# KiCad board reg.kicad_pcb (continued)
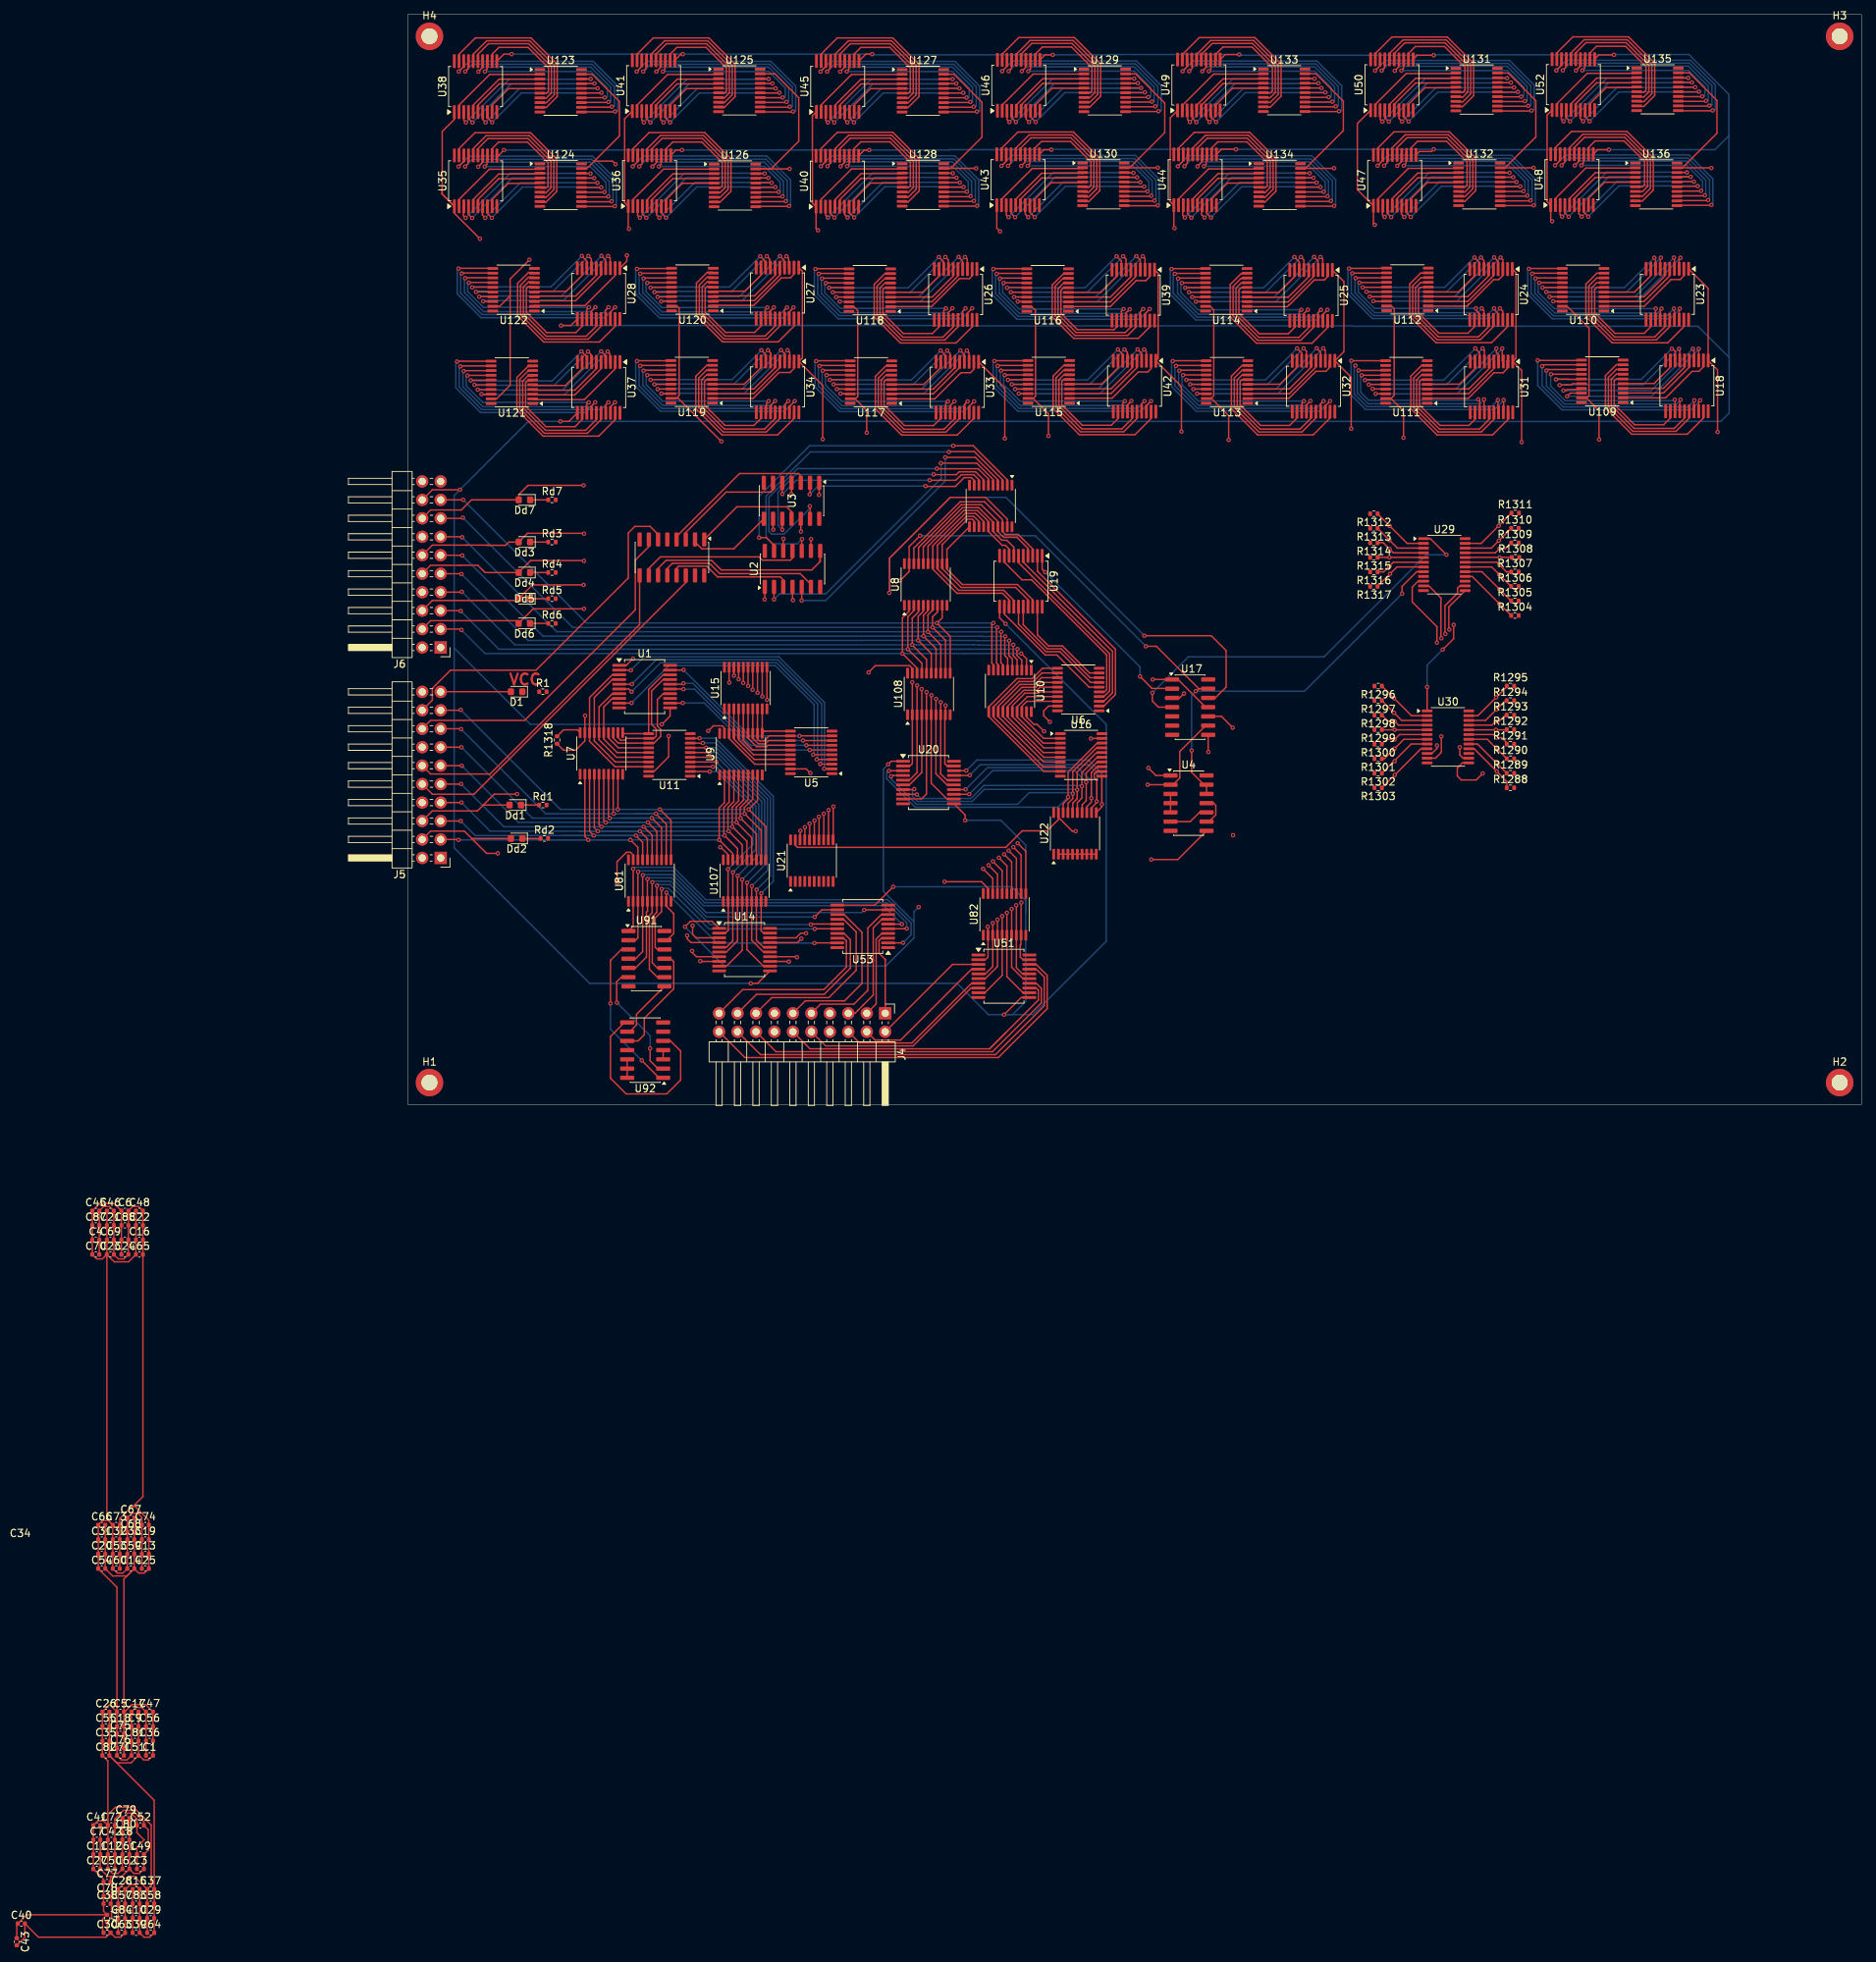
[diagram p0: board, top side]
## Routing (per net, layer and track width the routed paths; a pad name or vN(x,y) marks a point on that pad's centre or on a via; arc(x,y) is an arc through that point) (continued)
/16 bit buffor25/OUT4: length 51.7
  Top w0.2: 56.59,36.5 56.59,39.56 v1(56.57,39.59) ; v1(52.45,19.65) 52.42,19.68 U14.13 ; U15.14 47.47,57.1 v1(47.45,57.07)
  In4.Cu w0.2: v1(47.45,57.07) 47.45,48.7 v1(56.57,39.59) 56.57,29.56 52.45,25.45 v1(52.45,19.65)
/16 bit buffor25/OUT5: length 52.5
  Top w0.2: U15.13 48.12,56.65 v1(48.13,56.65) ; v1(53.55,20.25) 53.47,20.32 49.85,20.32 ; 57.24,36.5 57.24,40 v1(57.25,40.01)
  In4.Cu w0.2: v1(48.13,56.65) 48.13,49.13 v1(57.25,40.01) 57.25,29.68 53.55,25.98 v1(53.55,20.25)
/16 bit buffor25/OUT6: length 51.3
  Top w0.2: v1(54.15,22.8) 53.62,22.28 U14.17 ; v1(57.92,40.51) 57.89,40.48 57.89,36.5 ; v1(48.8,56.15) 48.78,56.17 U15.12
  In4.Cu w0.2: v1(54.15,22.8) 54.15,26.02 57.92,29.78 v1(57.92,40.51) 48.8,49.63 v1(48.8,56.15)
/16 bit buffor25/OUT7: length 51.6
  Top w0.2: v1(54.8,23.55) 54.05,23.55 53.43,22.93 U14.18 ; U15.11 49.42,55.7 v1(49.45,55.67) ; 58.54,36.5 58.54,40.96
  In4.Cu w0.2: v1(54.8,23.55) 54.8,26.1 58.57,29.87 v1(58.57,40.98) 49.45,50.1 v1(49.45,55.67)
/16 bit buffor25/OUT8: length 42.5
  Top w0.2: U22.18 90.17,41.38 90.85,42.05 90.85,42.3 v1(90.85,42.3) 90.85,45.72 94.86,49.72 U16.18 ; v1(66.2,45.9) 66.22,45.92 U20.3
  Bottom w0.2: v1(66.2,45.9) 65.9,45.6 65.9,44.82 69.82,40.9 89.45,40.9 v1(90.85,42.3)
/16 bit buffor25/OUT9: length 40.5
  Top w0.2: 95.51,49.08 94.78,49.08 91.5,45.8 v1(91.5,42.77) 91.5,42.1 90.85,41.45 90.85,40.19 U22.17 ; 68.15,45.28 66.62,45.28 v1(66.5,45.15)
  Bottom w0.2: v1(66.5,45.15) 66.5,44.79 69.99,41.3 83.9,41.3 85.5,42.9 91.37,42.9 v1(91.5,42.77)
/16 bit buffor25/OUT10: length 36.7
  Top w0.2: U20.7 69.62,43.33 v1(69.7,43.4) ; U22.16 91.5,40.19 91.5,41.47 92,41.97 92,41.98 92.1,42.08 v1(92.1,43.3) 92.1,45.75 94.78,48.42 U16.16
  Bottom w0.2: v1(69.7,43.4) 69.45,43.15 69.45,42.4 70.15,41.7 77.66,41.7 79.33,43.37 92.03,43.37 v1(92.1,43.3)
/16 bit buffor25/OUT11: length 35
  Top w0.2: U20.8 70.03,42.67 v1(70.05,42.65) ; U22.15 92.12,41.53 92.4,41.8 92.4,41.82 92.75,42.17 v1(92.75,43.8) 92.75,45.67 94.86,47.78 95.51,47.78
  Bottom w0.2: v1(92.75,43.8) 92.65,43.9 79.3,43.9 77.5,42.1 70.6,42.1 v1(70.05,42.65)
/16 bit buffor25/OUT12: length 28.7
  Top w0.2: U16.14 94.86,47.12 93.35,45.62 v1(93.35,44.35) 93.35,41.8 92.8,41.25 92.8,40.19 92.78,40.16 ; v1(77.25,42.7) 77.22,42.67 U20.13
  Bottom w0.2: v1(77.25,42.7) 80.5,45.95 91.75,45.95 v1(93.35,44.35)
/16 bit buffor25/OUT13: length 30.8
  Top w0.2: v1(76.75,43.35) 76.72,43.33 U20.14 ; U16.13 94.86,46.47 94.1,45.72 94.1,45.72 94.05,45.67 v1(94.05,42.15) 94.05,41.6 93.45,41 93.45,40.19 U22.13
  Bottom w0.2: v1(76.75,43.35) 79.75,46.35 92.2,46.35 94.05,44.5 v1(94.05,42.15)
/16 bit buffor25/OUT14: length 31.6
  Top w0.2: U16.12 94.78,45.83 94.45,45.5 94.45,44.93 94.8,44.58 94.8,41.88 94.8,41.88 v1(94.8,41.7) 94.8,41.55 94.08,40.82 U22.12 ; v1(77.33,45.31) 77.3,45.28 75.15,45.28
  Bottom w0.2: v1(77.33,45.31) 78.77,46.75 93.7,46.75 94.8,45.65 v1(94.8,41.7)
/16 bit buffor25/OUT15: length 31.3
  Top w0.2: U20.18 76.83,45.92 v1(76.85,45.95) ; U22.11 95.5,40.94 v1(95.5,41.3) 95.5,45.16 U16.11
  Bottom w0.2: v1(95.5,41.3) 95.5,45.55 93.65,47.4 78.3,47.4 v1(76.85,45.95)
/16 bit buffor26/n0E2: length 77.6
  Top w0.2: v1(113.5,51.85) 111.95,53.4 U17.10 ; v1(91.9,37.6) 91.43,37.6 89.53,39.51 U22.19 89.53,39.21 87.97,37.65 84.55,37.65 82.28,35.38 53.63,35.38 53.33,35.68 U21.19
  In3.Cu w0.2: v1(91.9,37.6) 103.75,37.6 113.5,47.35 v1(113.5,51.85)
/16 bit buffor28/IN_1_0: length 13.7
  Top w0.2: U18.2 178.26,101.52 177.63,100.89 176.71,100.89 173.06,97.24 U109.2
/16 bit buffor28/IN_1_1: length 11.9
  Top w0.2: 167.16,97.91 167.02,97.91 172.76,97.91 176.32,101.47 176.32,102.42
/16 bit buffor28/IN_1_2: length 10.8
  Top w0.2: 175.67,102.42 175.67,101.47 172.76,98.56 167.02,98.56
/16 bit buffor28/IN_1_3: length 8.6
  Top w0.2: 173.72,102.42 173.72,101.47 171.46,99.21 167.02,99.21
/16 bit buffor28/IN_1_4: length 14.6
  Top w0.2: 167.02,99.86 166.28,99.86 165.98,99.56 165.98,96.34 168.79,93.54 172.79,93.54 173.72,94.47 173.72,95.42
/16 bit buffor28/IN_1_5: length 18.3
  Top w0.2: 167.02,100.51 166.28,100.51 165.58,99.81 165.58,96.18 168.72,93.04 174.24,93.04 175.67,94.47 175.67,95.42
/16 bit buffor28/IN_1_6: length 20.6
  Top w0.2: 176.32,95.42 176.32,94.47 174.49,92.64 168.56,92.64 165.18,96.01 165.18,100.06 166.28,101.16 167.02,101.16
/16 bit buffor28/IN_1_7: length 24.2
  Top w0.2: 178.27,95.42 178.27,94.47 176.04,92.24 168.39,92.24 164.78,95.84 164.78,100.31 166.28,101.81 167.02,101.81
/16 bit buffor28/IN_1_8: length 13.9
  Top w0.2: 175.58,115 175.58,114.05 175.05,113.53 173.8,113.53 170.12,109.85 164.33,109.85
/16 bit buffor28/IN_1_9: length 11.9
  Top w0.2: 164.47,110.5 164.33,110.5 170.07,110.5 173.63,114.05 173.63,115
/16 bit buffor28/IN_1_10: length 10.8
  Top w0.2: 164.33,111.15 170.07,111.15 172.98,114.05 172.98,115
/16 bit buffor28/IN_1_11: length 8.6
  Top w0.2: 164.33,111.8 168.77,111.8 171.03,114.05 171.03,115
/16 bit buffor28/IN_1_12: length 14.6
  Top w0.2: 171.03,108 171.03,107.05 170.1,106.12 166.1,106.12 163.29,108.93 163.29,112.15 163.59,112.45 164.33,112.45
/16 bit buffor28/IN_1_13: length 18.3
  Top w0.2: 164.33,113.1 163.59,113.1 162.89,112.4 162.89,108.76 166.04,105.62 171.55,105.62 172.98,107.05 172.98,108
/16 bit buffor28/IN_1_14: length 20.6
  Top w0.2: 164.33,113.75 163.59,113.75 162.49,112.65 162.49,108.6 165.87,105.22 171.8,105.22 173.63,107.05 173.63,108
/16 bit buffor28/IN_1_15: length 24.2
  Top w0.2: 175.58,108 175.58,107.05 173.35,104.82 165.7,104.82 162.09,108.43 162.09,112.9 163.59,114.4 164.33,114.4
/16 bit buffor29/IN_1_0: length 14
  Top w0.2: 140.24,97.17 145.92,97.17 149.43,100.69 150.69,100.69 151.23,101.23 151.23,102.33 151.48,102.33
/16 bit buffor29/IN_1_1: length 11.9
  Top w0.2: 149.53,102.33 149.53,101.38 145.98,97.82 140.24,97.82 140.38,97.82
/16 bit buffor29/IN_1_2: length 10.8
  Top w0.2: 148.88,102.33 148.88,101.38 145.98,98.47 140.24,98.47
/16 bit buffor29/IN_1_3: length 8.6
  Top w0.2: 140.24,99.12 144.68,99.12 146.93,101.38 146.93,102.33
/16 bit buffor29/IN_1_4: length 14.6
  Top w0.2: 140.24,99.77 139.5,99.77 139.2,99.47 139.2,96.26 142.01,93.45 146,93.45 146.93,94.38 146.93,95.33
/16 bit buffor29/IN_1_5: length 18.3
  Top w0.2: 148.88,95.33 148.88,94.38 147.45,92.95 141.94,92.95 138.8,96.09 138.8,99.72 139.5,100.42 140.24,100.42
/16 bit buffor29/IN_1_6: length 20.6
  Top w0.2: 140.24,101.07 139.5,101.07 138.4,99.97 138.4,95.92 141.78,92.55 147.7,92.55 149.53,94.38 149.53,95.33
/16 bit buffor29/IN_1_7: length 24.2
  Top w0.2: 140.24,101.72 139.5,101.72 138,100.22 138,95.76 141.61,92.15 149.25,92.15 151.48,94.38 151.48,95.33
/16 bit buffor29/IN_1_8: length 13.8
  Top w0.2: 151.34,114.07 151.34,115.02 ; 140.1,109.86 145.81,109.86 145.86,109.91 145.86,110.01 145.96,110.11 146,110.11 149.4,113.51 150.09,113.51 150.68,114.1 150.68,114.51
/16 bit buffor29/IN_1_9: length 11.9
  Top w0.2: 149.39,115.02 149.39,114.07 145.84,110.51 140.1,110.51 140.23,110.51
/16 bit buffor29/IN_1_10: length 10.8
  Top w0.2: 148.74,115.02 148.74,114.07 145.84,111.16 140.1,111.16
/16 bit buffor29/IN_1_11: length 8.6
  Top w0.2: 146.79,115.02 146.79,114.07 144.54,111.81 140.1,111.81
/16 bit buffor29/IN_1_12: length 14.6
  Top w0.2: 146.79,108.02 146.79,107.07 145.86,106.14 141.86,106.14 139.06,108.95 139.06,112.16 139.36,112.46 140.1,112.46
/16 bit buffor29/IN_1_13: length 18.3
  Top w0.2: 140.1,113.11 139.36,113.11 138.66,112.41 138.66,108.78 141.8,105.64 147.31,105.64 148.74,107.07 148.74,108.02
/16 bit buffor29/IN_1_14: length 20.6
  Top w0.2: 140.1,113.76 139.36,113.76 138.26,112.66 138.26,108.61 141.63,105.24 147.56,105.24 149.39,107.07 149.39,108.02
/16 bit buffor29/IN_1_15: length 24.2
  Top w0.2: 140.1,114.41 139.36,114.41 137.86,112.91 137.86,108.45 141.47,104.84 149.11,104.84 151.34,107.07 151.34,108.02
/16 bit buffor30/IN_1_0: length 14
  Top w0.2: 115.56,97.17 121.22,97.17 124.95,100.9 126.33,100.9 126.75,101.32 126.75,102.33 126.8,102.33
/16 bit buffor30/IN_1_1: length 11.9
  Top w0.2: 115.69,97.82 115.56,97.82 121.3,97.82 124.85,101.38 124.85,102.33
/16 bit buffor30/IN_1_2: length 10.8
  Top w0.2: 115.56,98.47 121.3,98.47 124.2,101.38 124.2,102.33
/16 bit buffor30/IN_1_3: length 8.6
  Top w0.2: 115.56,99.12 120,99.12 122.25,101.38 122.25,102.33
/16 bit buffor30/IN_1_4: length 14.6
  Top w0.2: 115.56,99.77 114.82,99.77 114.52,99.47 114.52,96.25 117.32,93.45 121.32,93.45 122.25,94.38 122.25,95.33
/16 bit buffor30/IN_1_5: length 18.3
  Top w0.2: 115.56,100.42 114.82,100.42 114.12,99.72 114.12,96.09 117.26,92.95 122.77,92.95 124.2,94.38 124.2,95.33
/16 bit buffor30/IN_1_6: length 20.6
  Top w0.2: 124.85,95.33 124.85,94.38 123.02,92.55 117.09,92.55 113.72,95.92 113.72,99.97 114.82,101.07 115.56,101.07
/16 bit buffor30/IN_1_7: length 24.2
  Top w0.2: 126.8,95.33 126.8,94.38 124.57,92.15 116.93,92.15 113.32,95.75 113.32,100.22 114.82,101.72 115.56,101.72
/16 bit buffor30/IN_1_8: length 13.9
  Top w0.2: 126.64,114.95 126.64,114 126.12,113.47 124.73,113.47 121.3,110.04 121.25,110.04 121,109.79 115.39,109.79
/16 bit buffor30/IN_1_9: length 11.9
  Top w0.2: 115.53,110.44 115.39,110.44 121.13,110.44 124.69,114 124.69,114.95
/16 bit buffor30/IN_1_10: length 10.8
  Top w0.2: 124.04,114.95 124.04,114 121.13,111.09 115.39,111.09
/16 bit buffor30/IN_1_11: length 8.6
  Top w0.2: 115.39,111.74 119.83,111.74 122.09,114 122.09,114.95
/16 bit buffor30/IN_1_12: length 14.6
  Top w0.2: 115.39,112.39 114.66,112.39 114.36,112.09 114.36,108.87 117.16,106.07 121.16,106.07 122.09,107 122.09,107.95
/16 bit buffor30/IN_1_13: length 18.3
  Top w0.2: 124.04,107.95 124.04,107 122.61,105.57 117.1,105.57 113.96,108.71 113.96,112.34 114.66,113.04 115.39,113.04
/16 bit buffor30/IN_1_14: length 20.6
  Top w0.2: 115.39,113.69 114.66,113.69 113.56,112.59 113.56,108.54 116.93,105.17 122.86,105.17 124.69,107 124.69,107.95
/16 bit buffor30/IN_1_15: length 24.2
  Top w0.2: 115.39,114.34 114.66,114.34 113.16,112.84 113.16,108.38 116.77,104.77 124.41,104.77 126.64,107 126.64,107.95
/16 bit buffor31/IN_1_0: length 14
  Top w0.2: 91.03,97.2 96.91,97.2 100.51,100.8 101.81,100.8 102.27,101.26 102.27,102.35 102.28,102.35
/16 bit buffor31/IN_1_1: length 11.9
  Top w0.2: 100.33,102.35 100.33,101.4 96.78,97.85 91.03,97.85 91.17,97.85
/16 bit buffor31/IN_1_2: length 10.8
  Top w0.2: 91.03,98.5 96.78,98.5 99.68,101.4 99.68,102.35
/16 bit buffor31/IN_1_3: length 8.6
  Top w0.2: 91.03,99.15 95.48,99.15 97.73,101.4 97.73,102.35
/16 bit buffor31/IN_1_4: length 14.6
  Top w0.2: 91.03,99.8 90.3,99.8 90,99.5 90,96.28 92.8,93.47 96.8,93.47 97.73,94.4 97.73,95.35
/16 bit buffor31/IN_1_5: length 18.3
  Top w0.2: 99.68,95.35 99.68,94.4 98.25,92.97 92.74,92.97 89.6,96.11 89.6,99.75 90.3,100.45 91.03,100.45
/16 bit buffor31/IN_1_6: length 20.6
  Top w0.2: 100.33,95.35 100.33,94.4 98.5,92.57 92.57,92.57 89.2,95.95 89.2,100 90.3,101.1 91.03,101.1
/16 bit buffor31/IN_1_7: length 24.2
  Top w0.2: 91.03,101.75 90.3,101.75 88.8,100.25 88.8,95.78 92.41,92.17 100.05,92.17 102.28,94.4 102.28,95.35
/16 bit buffor31/IN_1_8: length 13.8
  Top w0.2: U116.2 96.65,109.8 100.23,113.38 101.55,113.38 102.1,113.93 U39.2
/16 bit buffor31/IN_1_9: length 11.6
  Top w0.2: U39.5 100.15,113.93 96.67,110.45 U116.3
/16 bit buffor31/IN_1_10: length 10.7
  Top w0.2: U39.6 99.5,113.93 96.67,111.1 U116.4
/16 bit buffor31/IN_1_11: length 8.5
  Top w0.2: U116.5 95.35,111.75 97.55,113.95 U39.9
/16 bit buffor31/IN_1_12: length 14
  Top w0.2: U39.12 97.55,107.01 97.17,106.63 92.13,106.63 89.87,108.88 89.87,112.02 90.25,112.4 U116.6
/16 bit buffor31/IN_1_13: length 17.6
  Top w0.2: U39.15 99.5,107.01 98.72,106.23 91.96,106.23 89.47,108.72 89.47,112.27 90.25,113.05 U116.7
/16 bit buffor31/IN_1_14: length 20
  Top w0.2: U39.16 100.15,106.93 99.05,105.83 91.8,105.83 89.07,108.55 89.07,112.6 90.17,113.7 U116.8
/16 bit buffor31/IN_1_15: length 23.5
  Top w0.2: U39.19 102.1,107.01 100.52,105.43 91.63,105.43 88.67,108.39 88.67,112.77 90.25,114.35 U116.9
/16 bit buffor32/IN_1_0: length 14
  Top w0.2: 77.88,102.26 77.88,101.16 77.42,100.71 76.12,100.71 72.51,97.1 66.64,97.1
/16 bit buffor32/IN_1_1: length 11.9
  Top w0.2: 75.87,102.31 75.87,101.36 72.32,97.8 66.58,97.8 66.71,97.8
/16 bit buffor32/IN_1_2: length 10.8
  Top w0.2: 66.58,98.45 72.32,98.45 75.22,101.36 75.22,102.31
/16 bit buffor32/IN_1_3: length 8.6
  Top w0.2: 66.58,99.1 71.02,99.1 73.27,101.36 73.27,102.31
/16 bit buffor32/IN_1_4: length 14.6
  Top w0.2: 73.27,95.31 73.27,94.36 72.34,93.43 68.35,93.43 65.54,96.23 65.54,99.45 65.84,99.75 66.58,99.75
/16 bit buffor32/IN_1_5: length 18.3
  Top w0.2: 75.22,95.31 75.22,94.36 73.79,92.93 68.28,92.93 65.14,96.07 65.14,99.7 65.84,100.4 66.58,100.4
/16 bit buffor32/IN_1_6: length 20.6
  Top w0.2: 66.58,101.05 65.84,101.05 64.74,99.95 64.74,95.9 68.11,92.53 74.04,92.53 75.87,94.36 75.87,95.31
/16 bit buffor32/IN_1_7: length 24.2
  Top w0.2: 66.58,101.7 65.84,101.7 64.34,100.2 64.34,95.73 67.95,92.13 75.59,92.13 77.82,94.36 77.82,95.31
/16 bit buffor32/IN_1_8: length 13.9
  Top w0.2: 77.66,114.97 77.66,114.04 77.27,113.65 75.91,113.65 72.08,109.82 66.42,109.82
/16 bit buffor32/IN_1_9: length 11.9
  Top w0.2: 75.71,114.97 75.71,114.03 72.16,110.47 66.42,110.47 66.55,110.47
/16 bit buffor32/IN_1_10: length 10.8
  Top w0.2: 75.06,114.97 75.06,114.03 72.16,111.12 66.42,111.12
/16 bit buffor32/IN_1_11: length 8.6
  Top w0.2: 66.42,111.77 70.86,111.77 73.11,114.03 73.11,114.97
/16 bit buffor32/IN_1_12: length 14.6
  Top w0.2: 66.42,112.42 65.68,112.42 65.38,112.12 65.38,108.9 68.18,106.09 72.18,106.09 73.11,107.03 73.11,107.97
/16 bit buffor32/IN_1_13: length 18.3
  Top w0.2: 75.06,107.97 75.06,107.03 73.63,105.59 68.12,105.59 64.98,108.74 64.98,112.37 65.68,113.07 66.42,113.07
/16 bit buffor32/IN_1_14: length 20.6
  Top w0.2: 66.42,113.72 65.68,113.72 64.58,112.62 64.58,108.57 67.95,105.19 73.88,105.19 75.71,107.03 75.71,107.97
/16 bit buffor32/IN_1_15: length 24.2
  Top w0.2: 77.66,107.97 77.66,107.03 75.43,104.79 67.79,104.79 64.18,108.4 64.18,112.87 65.68,114.37 66.42,114.37
/16 bit buffor33/IN_1_0: length 14.9
  Top w0.2: 53.12,101.38 53.12,102.33 ; 41.87,97.17 47.53,97.17 51.09,100.73 52.6,100.73 53.17,101.3 U34.2
/16 bit buffor33/IN_1_1: length 11.9
  Top w0.2: 42.01,97.82 41.87,97.82 47.62,97.82 51.17,101.38 51.17,102.33
/16 bit buffor33/IN_1_2: length 10.8
  Top w0.2: 50.52,102.33 50.52,101.38 47.62,98.47 41.87,98.47
/16 bit buffor33/IN_1_3: length 8.6
  Top w0.2: 41.87,99.12 46.32,99.12 48.57,101.38 48.57,102.33
/16 bit buffor33/IN_1_4: length 14.6
  Top w0.2: 41.87,99.77 41.14,99.77 40.84,99.47 40.84,96.25 43.64,93.45 47.64,93.45 48.57,94.38 48.57,95.33
/16 bit buffor33/IN_1_5: length 18.3
  Top w0.2: 41.87,100.42 41.14,100.42 40.44,99.72 40.44,96.09 43.58,92.95 49.09,92.95 50.52,94.38 50.52,95.33
/16 bit buffor33/IN_1_6: length 20.6
  Top w0.2: 41.87,101.07 41.14,101.07 40.04,99.97 40.04,95.92 43.41,92.55 49.34,92.55 51.17,94.38 51.17,95.33
/16 bit buffor33/IN_1_7: length 24.2
  Top w0.2: 41.87,101.72 41.14,101.72 39.64,100.22 39.64,95.76 43.25,92.15 50.89,92.15 53.12,94.38 53.12,95.33
/16 bit buffor33/IN_1_8: length 13.9
  Top w0.2: U27.2 53.15,114.27 52.64,113.76 51.4,113.76 47.62,109.97 41.96,109.97
/16 bit buffor33/IN_1_9: length 11.9
  Top w0.2: 51.26,115.13 51.26,114.18 47.7,110.62 41.96,110.62 42.1,110.62
/16 bit buffor33/IN_1_10: length 10.8
  Top w0.2: 50.61,115.13 50.61,114.18 47.7,111.27 41.96,111.27
/16 bit buffor33/IN_1_11: length 8.6
  Top w0.2: 41.96,111.92 46.4,111.92 48.66,114.18 48.66,115.13
/16 bit buffor33/IN_1_12: length 14.6
  Top w0.2: 41.96,112.57 41.22,112.57 40.92,112.27 40.92,109.06 43.73,106.25 47.73,106.25 48.66,107.18 48.66,108.13
/16 bit buffor33/IN_1_13: length 18.3
  Top w0.2: 41.96,113.22 41.22,113.22 40.52,112.52 40.52,108.89 43.66,105.75 49.18,105.75 50.61,107.18 50.61,108.13
/16 bit buffor33/IN_1_14: length 20.6
  Top w0.2: 41.96,113.87 41.22,113.87 40.12,112.77 40.12,108.72 43.5,105.35 49.43,105.35 51.26,107.18 51.26,108.13
/16 bit buffor33/IN_1_15: length 24.2
  Top w0.2: 53.21,108.13 53.21,107.18 50.98,104.95 43.33,104.95 39.72,108.56 39.72,113.02 41.22,114.52 41.96,114.52
/16 bit buffor34/IN_1_0: length 13.9
  Top w0.2: 17.26,97 24.3,97 28.51,101.21 28.51,102.16
/16 bit buffor34/IN_1_1: length 11.9
  Top w0.2: 26.56,102.16 26.56,101.21 23,97.65 17.26,97.65 17.4,97.65
/16 bit buffor34/IN_1_2: length 10.8
  Top w0.2: 17.26,98.3 23,98.3 25.91,101.21 25.91,102.16
/16 bit buffor34/IN_1_3: length 8.6
  Top w0.2: 23.96,102.16 23.96,101.21 21.7,98.95 17.26,98.95
/16 bit buffor34/IN_1_4: length 14.6
  Top w0.2: 23.96,95.16 23.96,94.21 23.03,93.28 19.03,93.28 16.22,96.08 16.22,99.3 16.52,99.6 17.26,99.6
/16 bit buffor34/IN_1_5: length 18.3
  Top w0.2: 17.26,100.25 16.52,100.25 15.82,99.55 15.82,95.92 18.97,92.78 24.48,92.78 25.91,94.21 25.91,95.16
/16 bit buffor34/IN_1_6: length 20.6
  Top w0.2: 26.56,95.16 26.56,94.21 24.73,92.38 18.8,92.38 15.42,95.75 15.42,99.8 16.52,100.9 17.26,100.9
/16 bit buffor34/IN_1_7: length 24.2
  Top w0.2: 17.26,101.55 16.52,101.55 15.02,100.05 15.02,95.58 18.63,91.97 26.28,91.97 28.51,94.21 28.51,95.16
/16 bit buffor34/IN_1_8: length 13.9
  Top w0.2: 17.36,109.95 24.4,109.95 28.61,114.16 28.61,115.11
/16 bit buffor34/IN_1_9: length 11.9
  Top w0.2: 26.66,115.11 26.66,114.16 23.1,110.6 17.36,110.6 17.5,110.6
/16 bit buffor34/IN_1_10: length 10.8
  Top w0.2: 26.01,115.11 26.01,114.16 23.1,111.25 17.36,111.25
/16 bit buffor34/IN_1_11: length 8.6
  Top w0.2: 17.36,111.9 21.8,111.9 24.06,114.16 24.06,115.11
/16 bit buffor34/IN_1_12: length 14.6
  Top w0.2: 24.06,108.11 24.06,107.16 23.13,106.22 19.13,106.22 16.32,109.03 16.32,112.25 16.62,112.55 17.36,112.55
/16 bit buffor34/IN_1_13: length 18.3
  Top w0.2: 26.01,108.11 26.01,107.16 24.58,105.72 19.06,105.72 15.92,108.87 15.92,112.5 16.62,113.2 17.36,113.2
/16 bit buffor34/IN_1_14: length 20.6
  Top w0.2: 17.36,113.85 16.62,113.85 15.52,112.75 15.52,108.7 18.9,105.33 24.83,105.33 26.66,107.16 26.66,108.11
/16 bit buffor34/IN_1_15: length 24.2
  Top w0.2: 17.36,114.5 16.62,114.5 15.12,113 15.12,108.53 18.73,104.92 26.38,104.92 28.61,107.16 28.61,108.11
/16 bit buffor35/IN_1_0: length 13.9
  Top w0.2: 7.08,136.6 7.08,137.55 11.29,141.76 18.33,141.76
/16 bit buffor35/IN_1_1: length 11.9
  Top w0.2: 9.03,136.6 9.03,137.55 12.59,141.11 18.33,141.11 18.19,141.11
/16 bit buffor35/IN_1_2: length 10.8
  Top w0.2: 9.68,136.6 9.68,137.55 12.59,140.46 18.33,140.46
/16 bit buffor35/IN_1_3: length 8.6
  Top w0.2: 18.33,139.81 13.89,139.81 11.63,137.55 11.63,136.6
/16 bit buffor35/IN_1_4: length 14.6
  Top w0.2: 11.63,143.6 11.63,144.55 12.57,145.48 16.56,145.48 19.37,142.68 19.37,139.46 19.07,139.16 18.33,139.16
/16 bit buffor35/IN_1_5: length 18.3
  Top w0.2: 18.33,138.51 19.07,138.51 19.77,139.21 19.77,142.84 16.63,145.98 11.12,145.98 9.68,144.55 9.68,143.6
/16 bit buffor35/IN_1_6: length 20.6
  Top w0.2: 18.33,137.86 19.07,137.86 20.17,138.96 20.17,143.01 16.79,146.38 10.87,146.38 9.03,144.55 9.03,143.6
/16 bit buffor35/IN_1_7: length 24.2
  Top w0.2: 18.33,137.21 19.07,137.21 20.57,138.71 20.57,143.17 16.96,146.78 9.32,146.78 7.08,144.55 7.08,143.6
/16 bit buffor35/IN_1_8: length 13.9
  Top w0.2: 7.02,123.55 7.02,124.5 11.23,128.71 18.27,128.71
/16 bit buffor35/IN_1_9: length 11.9
  Top w0.2: 8.97,123.55 8.97,124.5 12.53,128.06 18.27,128.06 18.13,128.06
/16 bit buffor35/IN_1_10: length 10.8
  Top w0.2: 9.62,123.55 9.62,124.5 12.53,127.41 18.27,127.41
/16 bit buffor35/IN_1_11: length 8.6
  Top w0.2: 18.27,126.76 13.83,126.76 11.57,124.5 11.57,123.55
/16 bit buffor35/IN_1_12: length 14.6
  Top w0.2: 11.57,130.55 11.57,131.5 12.5,132.43 16.5,132.43 19.31,129.62 19.31,126.41 19.01,126.11 18.27,126.11
/16 bit buffor35/IN_1_13: length 18.3
  Top w0.2: 9.62,130.55 9.62,131.5 11.05,132.93 16.56,132.93 19.71,129.79 19.71,126.16 19.01,125.46 18.27,125.46
/16 bit buffor35/IN_1_14: length 20.6
  Top w0.2: 8.97,130.55 8.97,131.5 10.8,133.33 16.73,133.33 20.11,129.96 20.11,125.91 19.01,124.81 18.27,124.81
/16 bit buffor35/IN_1_15: length 24.2
  Top w0.2: 7.02,130.55 7.02,131.5 9.25,133.73 16.9,133.73 20.51,130.12 20.51,125.66 19.01,124.16 18.27,124.16
/16 bit buffor36/IN_1_0: length 13.9
  Top w0.2: 42.81,141.75 35.77,141.75 31.56,137.55 31.56,136.6
/16 bit buffor36/IN_1_1: length 11.9
  Top w0.2: 42.67,141.1 42.81,141.1 37.07,141.1 33.51,137.55 33.51,136.6
/16 bit buffor36/IN_1_2: length 10.8
  Top w0.2: 42.81,140.45 37.07,140.45 34.16,137.55 34.16,136.6
/16 bit buffor36/IN_1_3: length 8.6
  Top w0.2: 42.81,139.8 38.37,139.8 36.11,137.55 36.11,136.6
/16 bit buffor36/IN_1_4: length 14.6
  Top w0.2: 36.11,143.6 36.11,144.55 37.04,145.48 41.04,145.48 43.85,142.67 43.85,139.45 43.55,139.15 42.81,139.15
/16 bit buffor36/IN_1_5: length 18.3
  Top w0.2: 42.81,138.5 43.55,138.5 44.25,139.2 44.25,142.84 41.11,145.98 35.59,145.98 34.16,144.55 34.16,143.6
/16 bit buffor36/IN_1_6: length 20.6
  Top w0.2: 42.81,137.85 43.55,137.85 44.65,138.95 44.65,143 41.27,146.38 35.34,146.38 33.51,144.55 33.51,143.6
/16 bit buffor36/IN_1_7: length 24.2
  Top w0.2: 31.56,143.6 31.56,144.55 33.79,146.78 41.44,146.78 45.05,143.17 45.05,138.7 43.55,137.2 42.81,137.2
/16 bit buffor36/IN_1_8: length 13.9
  Top w0.2: 42.23,128.73 35.19,128.73 30.99,124.52 30.99,123.57
/16 bit buffor36/IN_1_9: length 11.9
  Top w0.2: 42.1,128.08 42.23,128.08 36.49,128.08 32.94,124.52 32.94,123.57
/16 bit buffor36/IN_1_10: length 10.8
  Top w0.2: 33.59,123.57 33.59,124.52 36.49,127.43 42.23,127.43
/16 bit buffor36/IN_1_11: length 8.6
  Top w0.2: 35.54,123.57 35.54,124.52 37.79,126.78 42.23,126.78
/16 bit buffor36/IN_1_12: length 14.6
  Top w0.2: 42.23,126.13 42.97,126.13 43.27,126.43 43.27,129.64 40.47,132.45 36.47,132.45 35.54,131.52 35.54,130.57
/16 bit buffor36/IN_1_13: length 18.3
  Top w0.2: 33.59,130.57 33.59,131.52 35.02,132.95 40.53,132.95 43.67,129.81 43.67,126.18 42.97,125.48 42.23,125.48
/16 bit buffor36/IN_1_14: length 20.6
  Top w0.2: 42.23,124.83 42.97,124.83 44.07,125.93 44.07,129.98 40.7,133.35 34.77,133.35 32.94,131.52 32.94,130.57
/16 bit buffor36/IN_1_15: length 24.2
  Top w0.2: 42.23,124.18 42.97,124.18 44.47,125.68 44.47,130.14 40.86,133.75 33.22,133.75 30.99,131.52 30.99,130.57
/16 bit buffor37/IN_1_0: length 13.9
  Top w0.2: 68.11,141.75 61.07,141.75 56.86,137.54 56.86,136.59
/16 bit buffor37/IN_1_1: length 11.9
  Top w0.2: 67.97,141.1 68.11,141.1 62.37,141.1 58.81,137.54 58.81,136.59
/16 bit buffor37/IN_1_2: length 10.8
  Top w0.2: 59.46,136.59 59.46,137.54 62.37,140.45 68.11,140.45
/16 bit buffor37/IN_1_3: length 8.6
  Top w0.2: 68.11,139.8 63.67,139.8 61.41,137.54 61.41,136.59
/16 bit buffor37/IN_1_4: length 14.6
  Top w0.2: 61.41,143.59 61.41,144.54 62.34,145.47 66.34,145.47 69.15,142.67 69.15,139.45 68.85,139.15 68.11,139.15
/16 bit buffor37/IN_1_5: length 18.3
  Top w0.2: 59.46,143.59 59.46,144.54 60.89,145.97 66.41,145.97 69.55,142.83 69.55,139.2 68.85,138.5 68.11,138.5
/16 bit buffor37/IN_1_6: length 20.6
  Top w0.2: 58.81,143.59 58.81,144.54 60.64,146.37 66.57,146.37 69.95,143 69.95,138.95 68.85,137.85 68.11,137.85
/16 bit buffor37/IN_1_7: length 24.2
  Top w0.2: 68.11,137.2 68.85,137.2 70.35,138.7 70.35,143.17 66.74,146.77 59.09,146.77 56.86,144.54 56.86,143.59
/16 bit buffor37/IN_1_8: length 13.9
  Top w0.2: 56.87,123.6 56.87,124.55 61.08,128.76 68.12,128.76
/16 bit buffor37/IN_1_9: length 11.9
  Top w0.2: 58.82,123.6 58.82,124.55 62.38,128.11 68.12,128.11 67.98,128.11
/16 bit buffor37/IN_1_10: length 10.8
  Top w0.2: 68.12,127.46 62.38,127.46 59.47,124.55 59.47,123.6
/16 bit buffor37/IN_1_11: length 8.6
  Top w0.2: 61.42,123.6 61.42,124.55 63.68,126.81 68.12,126.81
/16 bit buffor37/IN_1_12: length 14.6
  Top w0.2: 68.12,126.16 68.86,126.16 69.16,126.46 69.16,129.67 66.35,132.48 62.35,132.48 61.42,131.55 61.42,130.6
/16 bit buffor37/IN_1_13: length 18.3
  Top w0.2: 59.47,130.6 59.47,131.55 60.9,132.98 66.42,132.98 69.56,129.84 69.56,126.21 68.86,125.51 68.12,125.51
/16 bit buffor37/IN_1_14: length 20.6
  Top w0.2: 68.12,124.86 68.86,124.86 69.96,125.96 69.96,130.01 66.58,133.38 60.65,133.38 58.82,131.55 58.82,130.6
/16 bit buffor37/IN_1_15: length 24.2
  Top w0.2: 56.87,130.6 56.87,131.55 59.1,133.78 66.75,133.78 70.36,130.17 70.36,125.71 68.86,124.21 68.12,124.21
/16 bit buffor38/IN_1_0: length 13.9
  Top w0.2: 93.09,141.81 86.05,141.81 81.84,137.6 81.84,136.65
/16 bit buffor38/IN_1_1: length 11.9
  Top w0.2: 92.95,141.16 93.09,141.16 87.35,141.16 83.79,137.6 83.79,136.65
/16 bit buffor38/IN_1_2: length 10.8
  Top w0.2: 93.09,140.51 87.35,140.51 84.44,137.6 84.44,136.65
/16 bit buffor38/IN_1_3: length 8.6
  Top w0.2: 93.09,139.86 88.65,139.86 86.39,137.6 86.39,136.65
/16 bit buffor38/IN_1_4: length 14.6
  Top w0.2: 86.39,143.65 86.39,144.6 87.33,145.53 91.32,145.53 94.13,142.72 94.13,139.51 93.83,139.21 93.09,139.21
/16 bit buffor38/IN_1_5: length 18.3
  Top w0.2: 93.09,138.56 93.83,138.56 94.53,139.26 94.53,142.89 91.39,146.03 85.88,146.03 84.44,144.6 84.44,143.65
/16 bit buffor38/IN_1_6: length 20.6
  Top w0.2: 83.79,143.65 83.79,144.6 85.62,146.43 91.55,146.43 94.93,143.06 94.93,139.01 93.83,137.91 93.09,137.91
/16 bit buffor38/IN_1_7: length 24.2
  Top w0.2: 81.84,143.65 81.84,144.6 84.08,146.83 91.72,146.83 95.33,143.22 95.33,138.76 93.83,137.26 93.09,137.26
/16 bit buffor38/IN_1_8: length 13.9
  Top w0.2: 92.96,128.81 85.92,128.81 81.71,124.6 81.71,123.65
/16 bit buffor38/IN_1_9: length 11.9
  Top w0.2: 92.82,128.16 92.96,128.16 87.22,128.16 83.66,124.6 83.66,123.65
/16 bit buffor38/IN_1_10: length 10.8
  Top w0.2: 92.96,127.51 87.22,127.51 84.31,124.6 84.31,123.65
/16 bit buffor38/IN_1_11: length 8.6
  Top w0.2: 92.96,126.86 88.52,126.86 86.26,124.6 86.26,123.65
/16 bit buffor38/IN_1_12: length 14.6
  Top w0.2: 86.26,130.65 86.26,131.6 87.2,132.53 91.19,132.53 94,129.72 94,126.51 93.7,126.21 92.96,126.21
/16 bit buffor38/IN_1_13: length 18.3
  Top w0.2: 92.96,125.56 93.7,125.56 94.4,126.26 94.4,129.89 91.26,133.03 85.75,133.03 84.31,131.6 84.31,130.65
/16 bit buffor38/IN_1_14: length 20.6
  Top w0.2: 92.96,124.91 93.7,124.91 94.8,126.01 94.8,130.06 91.42,133.43 85.5,133.43 83.66,131.6 83.66,130.65
/16 bit buffor38/IN_1_15: length 24.2
  Top w0.2: 81.71,130.65 81.71,131.6 83.95,133.83 91.59,133.83 95.2,130.22 95.2,125.76 93.7,124.26 92.96,124.26
/16 bit buffor39/IN_1_0: length 13.9
  Top w0.2: 133.16,136.72 133.16,137.67 137.36,141.87 144.4,141.87
/16 bit buffor39/IN_1_1: length 11.9
  Top w0.2: 135.11,136.72 135.11,137.67 138.66,141.22 144.4,141.22 144.26,141.22